# KiCad board mist1010.kicad_pcb (continued)
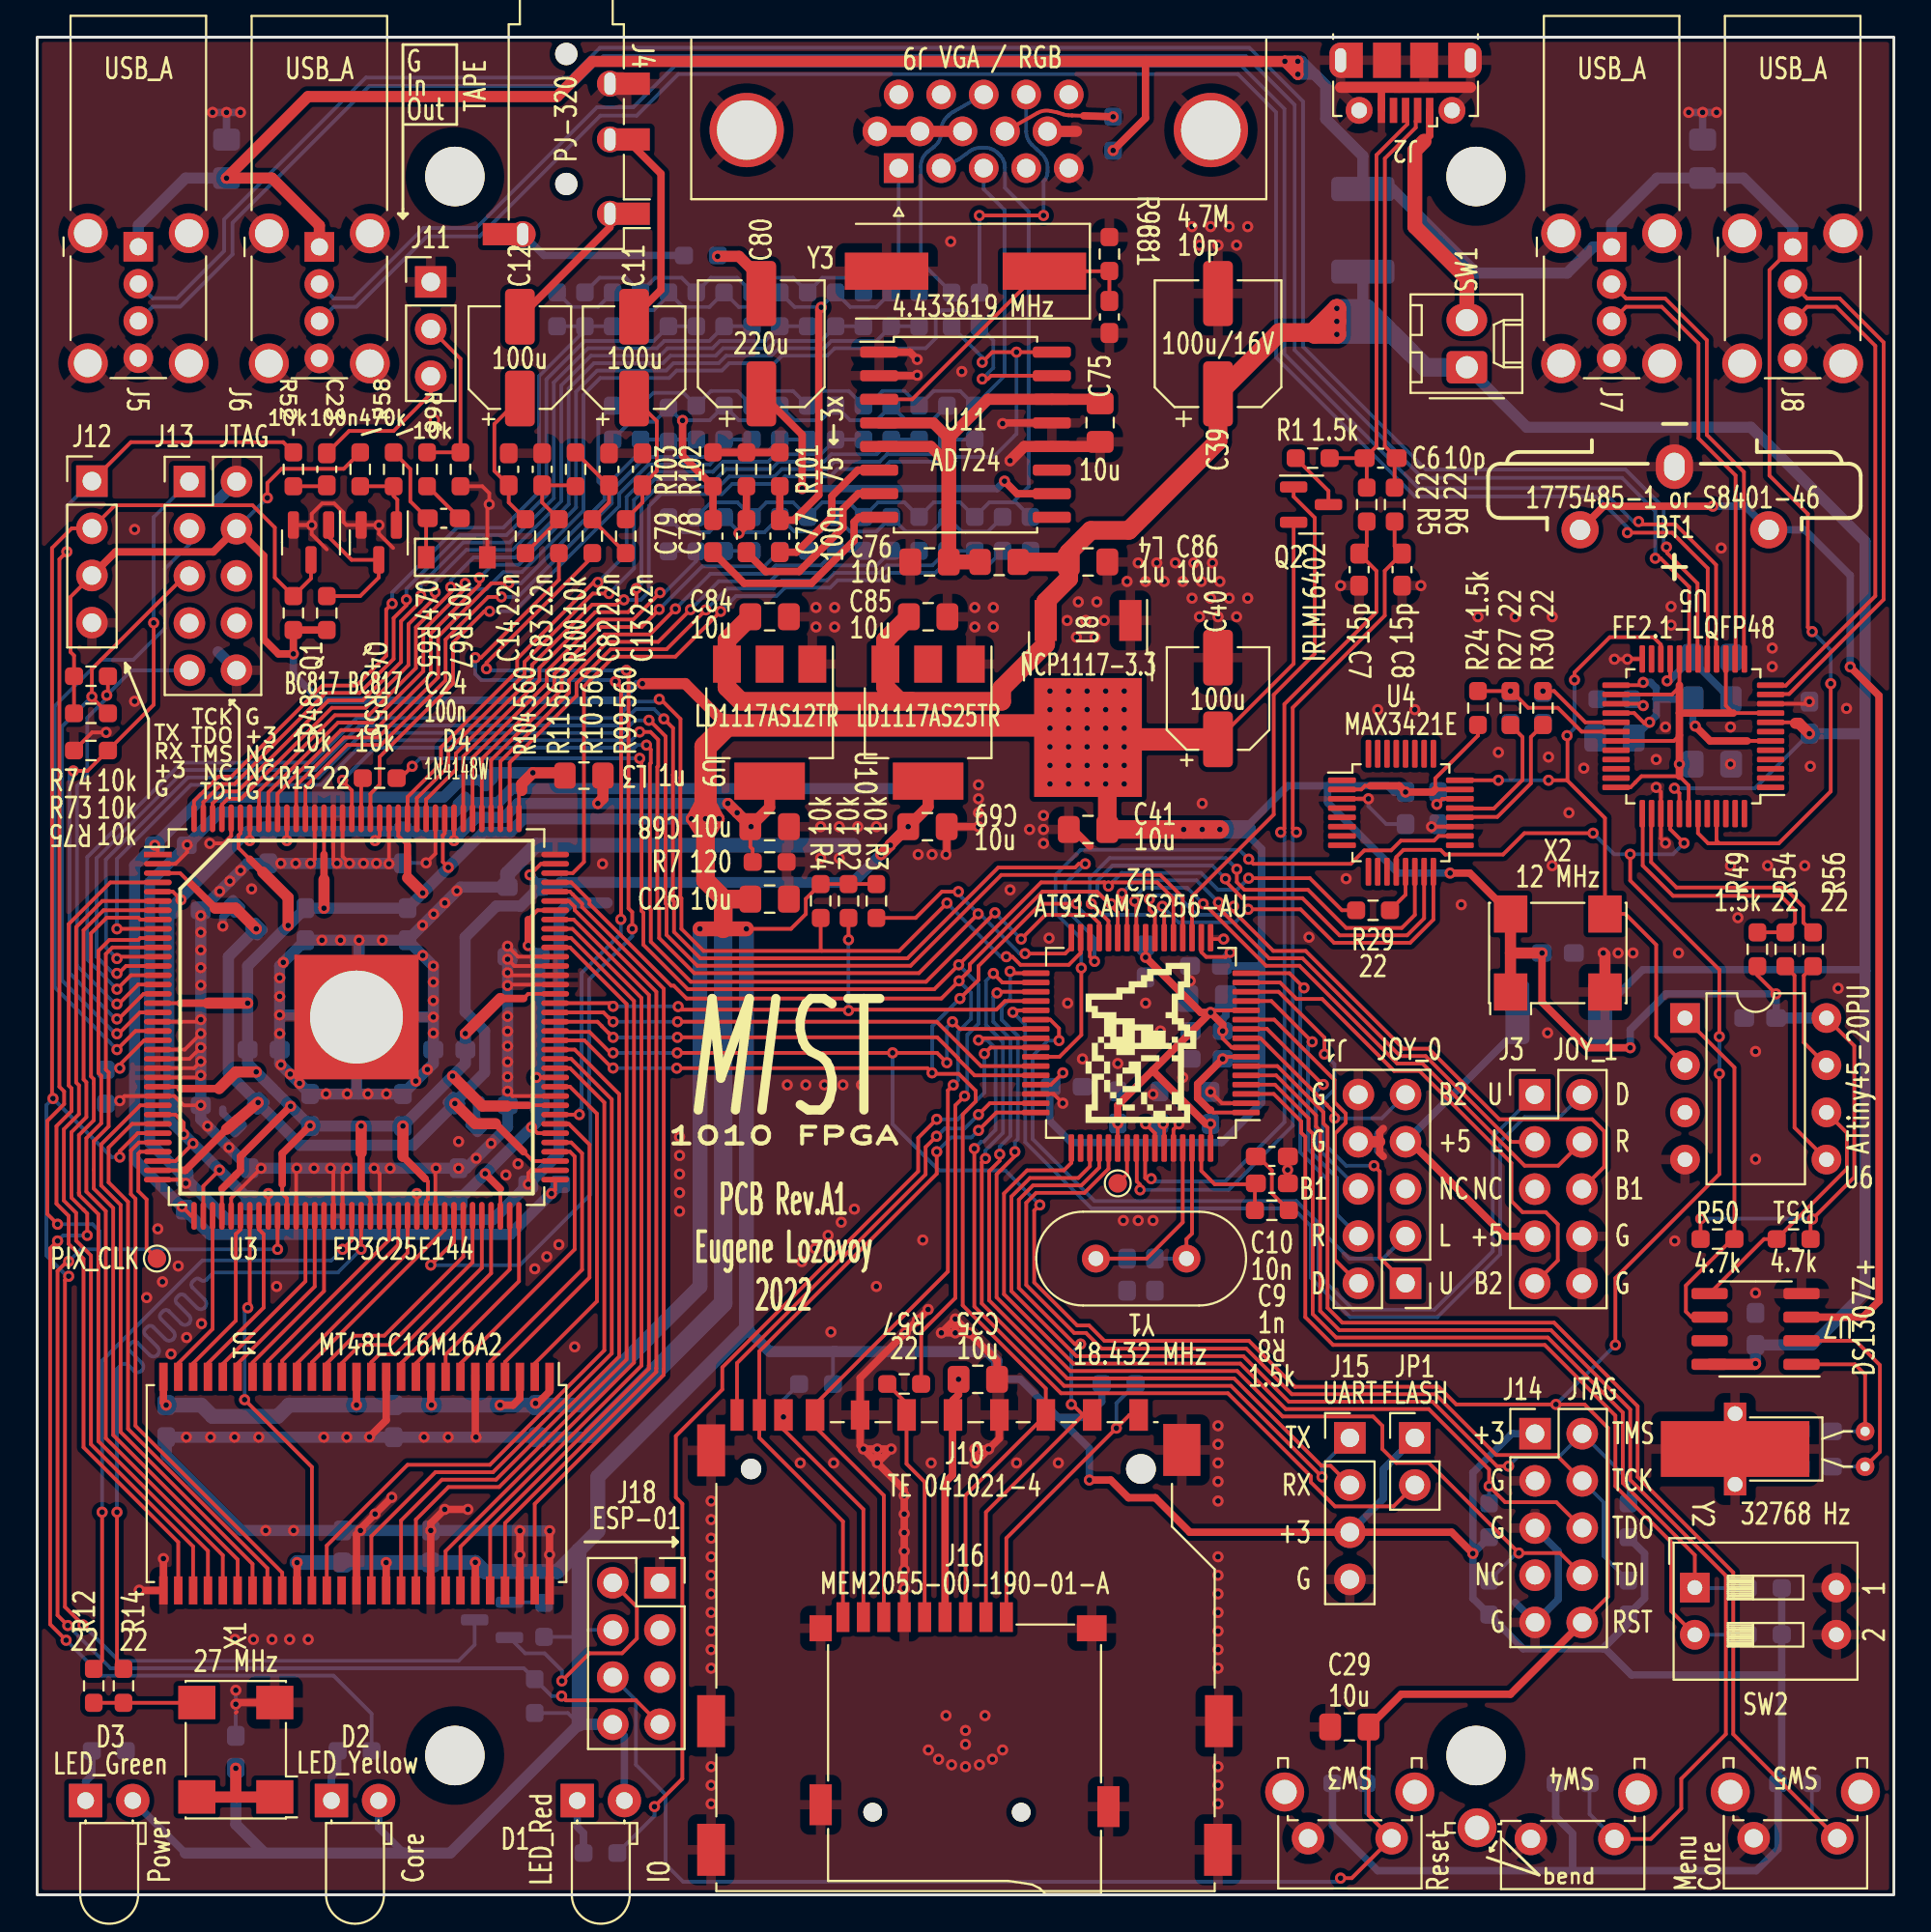
[diagram p0: board, top side]
## Routing (per net, layer and track width the routed paths; a pad name or vN(x,y) marks a point on that pad's centre or on a via; arc(x,y) is an arc through that point) (continued)
+BATT: length 61.5
  Top w0.4: v1(97.65,66.1) 99.2,64.55 99.2,31.96 98.33,31.1 94.37,31.1 ; v1(90.25,74.75) 84.37,74.75 BT1.1
  Bottom w0.4: v1(97.65,66.1) 97.65,71.02 95.19,73.48 BT1.1 91.99,74.75 v1(90.25,74.75)
/ARM_TCK: length 51.4
  Top w0.2: U2.53 57.7,39.08 56.41,37.79 53.8,37.79 53.27,37.26 53.27,32.83 55.85,30.25 56.49,30.25 57.34,29.4 65.13,29.4 67.58,26.95 75.32,26.95 78.59,23.68 81.82,23.68 J14.4
  Bottom w0.2: R70.2 84.36,18.25 84.36,21.14 J14.4
/ARM_TDI: length 60.7
  Top w0.2: v1(52.4,49.71) 52.5,49.61 U2.33 ; v1(52.66,40) 52.66,39.77 51.67,38.79 51.67,32.17 55.64,28.2 64.63,28.2 67.08,25.75 71.95,25.75 72.45,25.25 72.45,24 73.2,23.25 74.96,23.25 79.8,18.41 v1(79.8,18.4) 82.02,18.4 J14.8
  Bottom w0.2: v1(52.66,40) 52.66,40.53 52.82,40.69 52.82,46.24 51.95,47.11 51.95,47.79 52.4,48.24 v1(52.4,49.71) ; v1(79.8,18.4) 79.69,18.4 R72.2
/ARM_TDO: length 48.3
  Top w0.2: U2.49 55.7,39.4 55.3,39 53.32,39 52.07,37.75 52.07,32.33 55.81,28.6 64.8,28.6 67.25,26.15 74.95,26.15 78.2,22.9 v1(78.2,22) 79.06,21.14 81.82,21.14 J14.6
  Bottom w0.2: v1(78.2,22) R71.2
/ARM_TMS: length 51.1
  Top w0.2: U2.51 56.7,39.21 56.08,38.59 53.47,38.59 52.47,37.59 52.47,32.5 55.97,29 64.96,29 67.41,26.55 75.15,26.55 78.62,23.08 v1(79.25,23.08)
  Bottom w0.2: v1(79.25,23.08) 79.77,23.6 81.99,23.6 J14.2 85.7,22.34 R69.2
/AUDIO_L: length 58.8
  Top w0.2: v1(24.2,66) 24.2,66.32 29.9,72.02 R10.1 ; U3.65 22.45,35.15 v1(21.2,33.9) ; v1(32.05,52) 32.05,52.9 31.85,53.1 31.85,65.8 v1(31.74,65.91)
  Bottom w0.2: v1(21.2,33.9) 26,33.9 29.8,37.7 29.8,42.29 29.73,42.36 29.73,49.28 32.05,51.6 v1(32.05,52) ; v1(24.2,66) 24.29,65.91 v1(31.74,65.91)
/AUDIO_R: length 42.1
  Top w0.2: v1(23.6,66.6) 23.91,66.6 28.1,70.79 R11.1 ; v1(31.14,65.32) 31.45,65.01 31.45,52.53 v1(31.44,52.51) ; U3.80 v1(29.2,42)
  Bottom w0.2: v1(23.6,66.6) 23.6,65.71 23.91,65.4 31.06,65.4 v1(31.14,65.32) 31.14,65.32 31.14,65.32 31.14,65.43 ; v1(29.2,42) 29.2,42.25 29.33,42.38 29.33,49.63 31.44,51.74 v1(31.44,52.51)
/B: length 35.7
  Bottom w0.2: R33.2 33.19,80.85 34.81,80.85 R34.2 36.29,80.95 37.71,80.95 R35.2 39.29,80.95 40.71,80.95 R37.2 42.29,80.95 43.71,80.95 R39.2 44.75,80.16 45.53,80.95 46.71,80.95 R40.2 48.29,80.95 49.71,80.95 R41.2 52.1,81.76 52.1,90.7 50.98,91.82 J9.3
/Button1: length 66.6
  Top w0.2: SW4.1 86.91,3.01 88.55,4.65 88.55,6.25 90.95,8.65 90.95,17.18 85.8,22.33 85.8,26.13 81.53,30.4 70.13,30.4 69.1,31.43 69.1,41.14 68.88,41.36 68.88,41.96 66.73,44.11 U2.5
  Bottom w0.2: R62.2 83.61,4.35 SW4.1
/Button2: length 65.9
  Top w0.2: U2.6 66.8,44.61 69.28,42.13 69.28,41.52 69.5,41.31 69.5,31.6 70.3,30.8 81.7,30.8 86.2,26.3 86.2,22.5 91.35,17.35 91.35,8.65 SW5.1
  Bottom w0.2: SW5.1 95.59,4.41 R63.2
/CLK_12: length 36.8
  Top w0.2: v1(82.8,65.4) 82.8,65.8 84.7,67.7 87.05,67.7 87.45,67.3 U5.22 ; U6.2 87.2,46.21 87.2,51.14 85.54,52.8 X2.3 84.44,57.96 82.42,59.98 ; 82.42,59.98 82.42,62.38 v1(82.4,62.4) ; 82.42,59.98 82.4,60 v1(81.4,60) ; 76.62,60 v1(78.7,60)
  Bottom w0.2: v1(82.4,62.4) 82.8,62.8 v1(82.8,65.4) ; v1(78.7,60) v1(81.4,60)
/CLK_27: length 5.6
  Top w0.2: X1.3 8.58,10.34 R14.1 R12.1
/Composite: length 9.2
  Bottom w0.4: J4.S 27.3,88.25 R89.1
/CONF_DATA0: length 87.5
  Top w0.2: v1(56.95,50.25) 56.7,50.5 U2.30 ; v1(4.3,49.6) 4.39,49.6 4.79,50 U3.13 ; v1(33.75,63.3) 34.25,62.81 34.25,60.3 34.24,60.29 34.24,53.53 34.3,53.47 34.3,51.83 35.72,50.41 46.88,50.41 51.76,55.3 55.9,55.3 56.1,55.5 v1(56.45,55.5)
  Bottom w0.2: v1(56.45,55.5) 55.37,54.42 55.37,53.08 56.95,51.5 v1(56.95,50.25) ; v1(4.3,49.6) 4.1,49.6 3.2,50.5 3.2,55.8 7.95,60.55 14.98,60.55 17.38,62.95 31.36,62.95 32.24,63.83 33.23,63.83 v1(33.75,63.3)
/CONF_DCLK: length 85.3
  Top w0.2: U3.12 4.4,50.5 v1(4.3,50.4) ; U2.20 61.7,53.69 60.49,54.9 57.41,54.9 51.93,54.9 47.04,50.01 35.56,50.01 33.9,51.67 33.9,53.31 33.84,53.37 33.84,60.46 33.85,60.46 33.85,62.36 32.98,63.23 v1(32.95,63.23)
  Bottom w0.2: v1(32.95,63.23) 32.2,63.23 31.52,62.55 17.55,62.55 15.15,60.15 8.12,60.15 3.7,55.73 3.7,51 v1(4.3,50.4)
/CONF_DONE: length 31.3
  Top w0.2: v1(43.7,51.41) R2.2 ; v1(31.02,47.83) 30.85,48 U3.92 ; U2.36 52.12,48.11 51.66,47.65 43.75,47.65 v1(43.7,47.6) 43.65,47.65 34.69,47.65 v1(34.52,47.82)
  Bottom w0.2: v1(43.7,47.6) v1(43.7,51.41) ; v1(34.52,47.82) 34.51,47.83 v1(31.02,47.83)
/CONF_NCONFIG: length 84.8
  Top w0.2: v1(4.3,48.75) 5.05,49.5 U3.14 ; v1(49,53.39) 46.43,50.81 35.89,50.81 34.7,52 34.7,53.64 34.64,53.7 34.64,60.13 34.65,60.13 34.65,63.3 33.59,64.36 v1(33.51,64.36) ; 42.26,50.81 42.2,50.88 R4.2 ; U2.31 56.2,50.7 55.56,50.06 52.96,50.06 52.52,50.5 v1(52.2,50.5)
  Bottom w0.2: v1(4.3,48.75) 2.7,50.35 2.7,55.86 7.79,60.95 14.82,60.95 17.22,63.35 31.19,63.35 32.07,64.23 33.38,64.23 v1(33.51,64.36) ; v1(52.2,50.5) 51.89,50.5 v1(49,53.39)
/CONF_NSTATUS: length 81.4
  Top w0.2: U3.9 v1(4.3,52) ; v1(53.21,50.67) 55.37,50.67 55.7,51 U2.32 ; v1(49.62,54) 48.73,54 47.31,52.59 R3.2 ; v1(50.68,52.81) 47.49,49.61 35.39,49.61 33.5,51.5 33.5,53.14 33.4,53.24 33.4,60.72 33.45,60.76 33.45,62.18 33.03,62.6 v1(32.45,62.6)
  Bottom w0.2: v1(53.21,50.67) 52.92,50.67 50.78,52.81 v1(50.68,52.81) 49.62,53.87 v1(49.62,54) ; v1(4.3,52) 4.3,55.77 8.28,59.75 15.31,59.75 17.71,62.15 32,62.15 v1(32.45,62.6)
/DM_PUP: length 27.5
  Top w0.2: U2.19 62.2,53.75 66.6,58.15 66.6,64.6 68.81,66.81 68.81,74.13 67.67,75.27 Q2.1
/FPGA_TCK: length 35.9
  Top w0.2: v1(4.3,47.15) 4.39,47.15 5.74,48.5 U3.16 ; v1(1.95,60.5) 2.71,60.5 R75.1 6.28,64.07 v1(6.28,68.47)
  Bottom w0.2: v1(4.3,47.15) 4.21,47.15 1.75,49.61 1.75,60.3 v1(1.95,60.5) ; J13.1 6.28,74.16 v1(6.28,68.47)
/FPGA_TDI: length 26.9
  Top w0.2: R74.2 3.81,64.64 v1(3.75,64.57) ; v1(4.3,47.95) 4.39,47.95 5.44,49 U3.15
  Bottom w0.2: J13.9 5.09,65.92 v1(3.75,64.57) 3.75,64.41 2.7,63.36 2.7,60.25 2.15,59.7 2.15,50.01 4.21,47.95 v1(4.3,47.95)
/FPGA_TDO: length 36.1
  Top w0.2: v1(4.3,45.5) 5.3,46.5 U3.20
  Bottom w0.2: J13.3 8.2,72.7 6.88,71.38 6.88,68.18 5.18,66.48 3.43,66.48 0.95,64 0.95,48.85 v1(4.3,45.5)
/FPGA_TMS: length 32.8
  Top w0.2: R73.2 2.95,64.46 v1(2.95,64.5) 2.95,65.99 7.96,71 J13.5 ; U3.18 5.54,47.5 4.39,46.35 v1(4.3,46.35)
  Bottom w0.2: v1(4.3,46.35) 4.21,46.35 1.35,49.21 1.35,62.9 v1(2.95,64.5)
/G: length 45.1
  Bottom w0.2: 52.55,74.96 51.29,74.96 50.5,74.17 49.71,74.96 48.29,74.96 47.5,74.17 46.71,74.96 45.29,74.96 44.5,74.17 43.71,74.96 42.29,74.96 41.5,74.17 40.71,74.96 39.29,74.96 38.5,74.17 37.71,74.96 36.29,74.96 35.5,74.17 ; 52.55,74.96 52.71,74.96 53.5,74.17 ; 52.55,74.96 53.4,75.81 53.4,90.61 52.12,91.89 52.12,92.96 52.12,93.06 52.08,93.25 52.01,93.43 51.9,93.6 51.83,93.67 51.74,93.76 51.67,93.82 51.51,93.93 51.33,94.01 51.13,94.05 51.04,94.05 50.82,94.05 50.72,94.05 50.51,94 50.32,93.92 50.24,93.86 49.67,93.45 49.63,93.42 49.56,93.38 49.53,93.36 J9.2
/HS: length 13
  Bottom w0.2: J9.13 49.32,95.97 arc(49.21,95.89) 49.1,95.8 49.08,95.78 49.08,95.77 arc(48.79,95.42) 48.69,94.98 48.7,94.9 arc(48.6,94.45) 48.31,94.1 47.98,93.84 arc(47.69,93.49) 47.59,93.05 47.59,87.91 R43.2
/MISO: length 101.2
  Top w0.2: 41.89,25.72 41.89,26.39 49.05,33.55 49.05,43.3 v1(49.34,43.59) ; v1(64,54.7) 64,54.56 64.91,53.65 68.15,53.65 70.15,51.65 73.78,51.65 74.7,52.57 U4.15 ; v1(57.85,53.35) 57.8,53.35 57.77,53.32 ; 49.7,49.25 48.7,48.25 34.98,48.25 34.29,48.94 34.15,48.94 29.75,53.34 29.75,53.52 28.77,54.5 U3.105 ; 49.7,49.25 v1(49.65,49.2) ; 49.7,49.25 50.23,49.78 50.23,50.1 54.13,54 57.09,54 57.77,53.32 ; 57.77,53.32 58.2,52.89 U2.27 ; J16.7 45.6,21.5 41.89,25.2 J10.7
  Bottom w0.2: v1(49.65,49.2) 50.3,48.55 50.3,47.15 49.6,46.45 49.6,43.85 v1(49.34,43.59) ; v1(64,54.7) 63.29,55.41 57.92,55.41 57.1,54.59 57.1,54.01 57.76,53.35 v1(57.85,53.35)
/MOSI: length 95.5
  Top w0.2: 54.33,25.72 54.33,27.26 49.85,31.73 49.85,42.01 50.55,42.71 50.55,43.28 49.64,44.19 48.26,44.19 v1(48.2,44.25) 47.95,44.5 v1(34.45,44.5) ; J16.3 50,21.5 J10.2 ; v1(49.7,48.25) 50.7,49.25 50.7,50 54.05,53.35 v1(55.97,53.35) ; U3.88 29.47,46 30.96,44.51 v1(31.02,44.51) ; U2.22 60.7,53.11 v1(60.6,53.21) ; v1(65.22,53.05) 68.05,53.05 69.85,51.25 73.95,51.25 75.2,52.5 U4.16
  Bottom w0.2: v1(48.2,44.25) 48.2,46.75 v1(49.7,48.25) ; v1(65.22,53.05) 64.52,52.35 61.46,52.35 v1(60.6,53.21) 60.14,52.75 56.49,52.75 55.97,53.26 v1(55.97,53.35) ; v1(34.45,44.5) 31.03,44.5 v1(31.02,44.51)
/PIXEL_CLK: length 7.2
  Top w0.2: TP1.1 5.9,34.8 5.9,37.43 5.45,37.88 5.45,39.9 5.55,40 U3.33
/R: length 27.8
  Bottom w0.2: 46.4,87.05 45.29,87.05 R20.2 43.71,87.05 42.29,87.05 R19.2 40.71,87.05 39.29,87.05 R18.2 37.71,87.05 36.29,87.05 R17.2 34.71,87.05 33.29,87.05 R16.2 31.71,87.05 30.29,87.05 R15.2 ; 46.4,87.05 46.71,87.05 R21.2 ; 46.4,87.05 J9.1
/RAM_A0: length 10.5
  Top w0.2: U1.23 10,28.58 14.45,33.03 U3.49
/RAM_A1: length 10
  Top w0.2: U3.44 11.95,35.81 12.2,35.56 12.2,31.61 9.2,28.61 U1.24
/RAM_A2: length 9.7
  Top w0.2: U1.25 8.4,28.61 10.7,30.91 10.7,35.56 10.95,35.81 U3.42
/RAM_A3: length 9.4
  Top w0.2: U1.26 7.6,28.61 9.45,30.46 U3.39
/RAM_A4: length 44.7
  Top w0.2: U3.4 3.94,54.5 1.7,52.26 1.7,43.56 1.85,43.41 1.85,42.19 1.04,41.38 1.04,37.2 1.7,36.55 1.7,35.04 2.5,34.24 2.5,24.09 7.6,18.99 U1.29
/RAM_A5: length 44
  Top w0.2: U1.30 8.4,18.75 2.9,24.25 2.9,34.41 2.1,35.21 2.1,36.71 1.44,37.37 1.44,41.22 2.25,42.03 2.25,43.58 2.1,43.73 2.1,52.09 3.51,53.5 U3.6
/RAM_A6: length 42.6
  Top w0.2: U1.31 9.2,18.52 3.3,24.42 3.3,36.64 2.25,37.69 2.26,37.78 2.25,37.79 2.25,40.9 3.05,41.7 3.05,43.91 2.9,44.06 2.9,51.76 3.74,52.6 5.45,52.6 5.55,52.5 U3.8
/RAM_A7: length 41.3
  Top w0.2: U3.10 5.55,51.5 5.45,51.4 3.89,51.4 3.3,50.81 3.3,44.24 3.45,44.09 3.45,41.53 2.65,40.73 2.65,37.85 3.7,36.81 3.7,24.58 10,18.28 U1.32
/RAM_A8: length 40.8
  Top w0.2: U1.33 10.8,18.05 4.1,24.75 4.1,36.97 3.05,38.02 3.05,39.03 3.05,40.57 3.85,41.37 3.85,44.27 3.7,44.42 3.7,50.65 4.05,51 U3.11
/RAM_A9: length 31.3
  Top w0.2: U1.34 11.6,17.81 4.5,24.92 4.5,37.14 3.45,38.19 3.45,40.4 5.55,42.5 U3.28
/RAM_A10: length 10.4
  Top w0.2: U1.22 10.8,28.6 14.95,32.75 U3.50
/RAM_A11: length 30.6
  Top w0.2: U3.30 5.12,41.5 3.85,40.23 3.85,38.35 4.9,37.3 4.9,25.08 12.4,17.58 U1.35
/RAM_A12: length 28.7
  Top w0.2: U3.32 5.48,40.5 5.05,40.06 5.05,37.72 5.3,37.47 5.3,25.25 13.2,17.34 U1.36
/RAM_BA0: length 11.4
  Top w0.2: U3.58 18.95,35.25 12.4,28.7 U1.20
/RAM_BA1: length 10.3
  Top w0.2: U1.21 11.6,28.65 15.45,32.5 U3.51
/RAM_CLK: length 21.8
  Top w0.2: v1(11.35,31.6) 11.45,31.71 U3.43 ; U1.38 14.8,23.03 v1(11.17,26.65)
  Bottom w0.2: v1(11.35,31.6) 11.17,31.43 v1(11.17,26.65)
/RAM_DQ0: length 18.4
  Top w0.2: U1.2 26.8,28.6 30.15,31.95 30.15,42.05 28.7,43.5 U3.83
/RAM_DQ1: length 16.7
  Top w0.2: U1.4 25.2,28.68 29.75,33.23 29.75,40.39 28.64,41.5 U3.79
/RAM_DQ2: length 15.8
  Top w0.2: U1.5 24.4,28.7 29.35,33.65 29.35,39.92 28.77,40.5 U3.77
/RAM_DQ3: length 15.6
  Top w0.2: U1.7 22.8,28.6 28.95,34.75 28.95,39.75 28.7,40 U3.76
/RAM_DQ4: length 10.3
  Top w0.2: U3.72 25.95,33.03 22,29.08 U1.8
/RAM_DQ5: length 10.8
  Top w0.2: U3.71 25.45,33.66 20.4,28.61 U1.10
/RAM_DQ6: length 10.7
  Top w0.2: U3.69 24.45,33.46 19.6,28.61 U1.11
/RAM_DQ7: length 11.6
  Top w0.2: U3.68 23.95,33.75 19.3,29.1 18.43,29.1 18,28.67 U1.13
/RAM_DQ8: length 37.6
  Top w0.2: U1.42 18,19.3 21.45,22.75 24.55,22.75 30.95,29.15 30.95,42.82 28.77,45 U3.86
/RAM_DQ9: length 37.7
  Top w0.2: U3.87 28.95,45.5 31.35,43.1 31.35,28.98 24.72,22.35 21.8,22.35 19.6,20.15 U1.44
/RAM_DQ10: length 43
  Top w0.2: U3.98 28.7,51 31.75,47.95 31.75,28.82 24.88,21.95 22.15,21.95 20.4,20.2 U1.45
/RAM_DQ11: length 41.6
  Top w0.2: U3.99 28.77,51.5 32.15,48.12 32.15,28.65 22,18.5 U1.47
/RAM_DQ12: length 42.1
  Top w0.2: U1.48 22.8,18.74 32.55,28.49 32.55,48.28 28.83,52 U3.100
/RAM_DQ13: length 42.3
  Top w0.2: U1.50 24.4,19.77 32.95,28.32 32.95,28.5 32.95,28.5 32.95,48.45 28.9,52.5 U3.101
/RAM_DQ14: length 43.2
  Top w0.2: U3.103 28.64,53.5 28.95,53.19 28.95,53.01 33.35,48.61 33.35,28.33 33.34,28.33 33.34,28.15 25.2,20.01 U1.51
/RAM_DQ15: length 43.4
  Top w0.2: U1.53 26.8,21.04 33.74,27.99 33.74,28.16 33.75,28.17 33.75,28.3 33.75,48.78 29.35,53.18 29.35,53.35 28.85,53.85 28.85,53.85 28.7,54 U3.104
/RAM_DQMH: length 38.5
  Top w0.2: U1.39 15.6,18.8 19.95,23.15 24.39,23.15 30.55,29.31 30.55,42.65 28.7,44.5 U3.85
/RAM_DQML: length 12.5
  Top w0.2: U1.15 16.4,28.61 17.39,29.6 19,29.6 23.45,34.05 U3.67
/RST: length 222.3
  Top w0.2: v1(83.8,57.15) 80.1,57.15 78.95,56 75.84,56 75.59,56.25 73.59,56.25 73.2,55.86 U4.12 ; v1(90.6,46.2) 90.6,49.8 85.8,54.6 v1(85.8,56.02) ; v1(34.47,45.32) 48.47,45.32 v1(49,44.79) ; v1(85,29.6) 85,33.2 90.6,38.8 v1(90.6,44.2) ; C29.2 71.71,4.28 SW3.1 70.8,0.9 v1(70.2,0.9) ; U3.89 27.95,46.45 29.75,46.45 30.87,45.32 v1(31.02,45.32) ; J14.10 84.6,16.05 84.6,25.14 83.34,26.4 v1(81.8,26.4) 76.43,26.4 75.48,27.35 67.74,27.35 65.27,29.82 57.48,29.82 56.65,30.65 56.02,30.65 53.7,32.97 53.7,36.84 v1(54,37.14) ; U5.40 87.95,57.37 v1(88.7,56.62) ; U2.39 49.69,46.61 v1(49.3,47)
  Top w0.4: J14.10 79.35,10.8 73.48,10.8 C29.2
  Bottom w0.2: SW3.1 71.59,4.41 R68.2 ; v1(49.3,47) 49,46.7 v1(49,44.79) ; v1(54,37.14) 52.14,39 48.56,39 46.08,41.49 v1(46.08,45.32) ; v1(90.6,46.2) v1(90.6,44.2) ; v1(88.7,56.62) 88.1,56.02 v1(85.8,56.02) 84.93,56.02 v1(83.8,57.15) ; v1(31.02,45.32) 34.47,45.32 v1(34.47,45.32) ; J18.6 32.25,10.47 32.25,7 33.85,5.4 33.85,1.65 34.8,0.7 70,0.7 v1(70.2,0.9) ; v1(85,29.6) v1(81.8,26.4)
/RTC_DN: length 14.9
  Top w0.2: U5.37 86.47,58.18 86.47,55.41 88.11,53.77 93.91,53.77 94.67,53.01 94.67,52.34 R54.2 R49.2
/RTC_DP: length 13.4
  Top w0.2: U5.38 86.93,58.18 86.93,55.59 88.29,54.22 94.09,54.22 95.13,53.19 95.13,52.34 R56.2
/RX_ARM: length 43.1
  Top w0.2: v1(51.84,39.86) 51.84,39.52 51.27,38.95 51.27,32 55.48,27.8 64.47,27.8 69.17,23.1 69.66,23.1 J15.2 ; v1(51.7,48.55) 51.76,48.61 U2.35
  Bottom w0.2: v1(51.7,48.55) 51.5,48.35 51.5,46.99 52.42,46.07 52.42,40.85 51.84,40.28 v1(51.84,39.86)
/RX_FPGA: length 110.3
  Top w0.2: Q1.3 14.75,70.86 R48.1 12.8,70.91 12.8,73.6 11.6,74.8 4.19,74.8 J12.2 1.86,73.56 0.8,72.5 0.8,42.92 v1(0.85,42.87) ; v1(2.47,14.52) 1.5,15.5 1.5,33.1 v1(1.7,33.3) ; v1(4.45,39.71) 4.45,40.03 5.42,41 U3.31
  Bottom w0.2: v1(1.7,33.3) 1.61,33.3 0.5,34.41 0.5,42.52 v1(0.85,42.87) 4.01,39.71 v1(4.45,39.71) ; Q3.3 23.56,13.46 22.7,12.6 4.4,12.6 v1(2.47,14.52)
/SCK: length 97.7
  Top w0.2: v1(49.95,43) 49.45,42.5 49.45,32.12 47.61,30.29 R57.1 ; U2.21 61.2,53.62 60.33,54.5 57.9,54.5 v1(57.7,54.3) ; v1(57.7,54.3) 57.7,54.5 ; v1(57.7,54.3) 57.5,54.5 54.07,54.5 48.32,48.75 35.04,48.75 32.65,51.14 32.65,52.86 32.55,52.96 32.55,61.08 v1(32.45,61.18) ; v1(20.2,60.75) 19.56,60.11 R13.2 ; v1(65.25,54.73) 68.55,54.73 70.27,53 R29.1
  Bottom w0.2: v1(65.25,54.73) 64.62,54.1 63.6,54.1 62.69,55.01 58.41,55.01 v1(57.7,54.3) ; v1(49.95,43) 50.1,43.15 50.1,46.3 50.7,46.9 50.7,49 v1(49.63,50.07) ; v1(32.45,61.18) 20.63,61.18 v1(20.2,60.75)
/SD_CD: length 37.1
  Top w0.2: v1(50.7,41.15) 51.66,42.11 U2.48 ; v1(48.45,40) 48.45,38.82 38.89,29.26 38.89,24.6 43.4,20.1 J16.9
  Bottom w0.2: v1(48.45,40) 49.22,40.77 50.32,40.77 v1(50.7,41.15)
/SD_CLK: length 13.4
  Top w0.2: J16.5 47.8,22.23 46.83,23.2 46.83,26.46 R57.2
/SD_DAT1: length 14.7
  Top w0.2: v1(40.2,25.72) 40.2,25.05 44.5,20.75 J16.8
  Bottom w0.2: v1(40.2,25.72) 40.2,26.66 R64.2
/SD_DAT2: length 16.9
  Top w0.2: J16.1 52.2,19.2 58.83,25.83 J10.9
  Bottom w0.2: v1(58.12,25.12) 58.12,26.46 R53.2
/SD_VDD: length 13.1
  Top w0.4: v1(49.62,27.75) 49.62,26.92 49.33,26.62 49.33,25.72 49.3,25.7 49.3,22.6 48.9,22.2 J16.4
  Bottom w0.2: L2.2 v1(49.62,27.75)
/SD_WP: length 25.6
  Top w0.2: U2.47 51.31,42.61 v1(50.7,42) ; v1(48.44,40.84) 47.85,40.25 47.85,38.78 37.7,28.62 37.7,25.72
  Bottom w0.2: v1(48.44,40.84) 48.47,40.84 48.89,41.25 49.95,41.25 v1(50.7,42)
/SS0: length 26.2
  Top w0.2: v1(64.61,55.21) 64.61,54.51 65.03,54.1 68.45,54.1 70.5,52.05 73.5,52.05 74.2,52.75 U4.14 ; U2.28 57.7,52.42 v1(56.77,53.35)
  Bottom w0.2: v1(56.77,53.35) 56.7,53.42 56.7,54.75 57.76,55.81 64.02,55.81 v1(64.61,55.21)
/SS1: length 33.3
  Top w0.2: 56.33,25.83 51.1,20.6 J16.2 ; 56.33,25.83 55.76,26.4 v1(55.7,26.4) ; 56.33,25.83 J10.1 ; v1(56.2,29.65) 55.89,29.65 52.87,32.66 52.87,37.42 53.64,38.19 56.24,38.19 57.2,39.15 U2.52
  Bottom w0.2: v1(55.7,26.4) 55.7,29.15 v1(56.2,29.65)
/SS2/FPGA: length 58.8
  Top w0.2: U2.29 57.2,52.3 56.75,52.75 54.3,52.75 v1(53,51.45) ; v1(32.82,61.89) 33.05,61.66 33.05,60.93 33,60.88 33,53.08 33.05,53.03 33.05,51.31 35.21,49.15 47.87,49.15 v1(51.59,52.86) ; v1(16.45,60) 16.45,59.95 16.95,59.45 U3.127
  Bottom w0.2: v1(16.45,60) 18.2,61.75 32.16,61.75 32.3,61.89 v1(32.82,61.89) ; v1(53,51.45) v1(51.59,52.86)
/SS3/OSD: length 27.1
  Top w0.2: U3.91 30.5,47.5 30.77,47.23 30.79,47.23 v1(31.02,47) ; v1(34.49,47) 48.45,47 50.84,44.61 U2.43
  Bottom w0.2: v1(31.02,47) v1(34.49,47)
/SS4/SD_DIRECT: length 27.1
  Top w0.2: v1(34.48,46.16) 48.48,46.16 49.6,45.04 49.6,45 50.49,44.11 U2.44 ; v1(31.02,46.16) 30.78,46.4 30.77,46.4 30.42,46.75 30.42,46.76 30.18,47 U3.90
  Bottom w0.2: v1(31.02,46.16) 34.48,46.16 v1(34.48,46.16)
/Switch1: length 47.5
  Top w0.2: U2.4 66.67,43.61 68.48,41.8 68.48,41.19 68.7,40.97 68.7,31.27 69.97,30 81.37,30 85.4,25.96 85.4,22.17 89.28,18.29 SW2.1
  Bottom w0.2: R60.2 89.3,16.51
/Switch2: length 49.5
  Top w0.2: U2.3 66.6,43.11 68.08,41.63 68.08,41.03 68.3,40.81 68.3,31.1 69.8,29.6 81.2,29.6 85,25.8 85,22 88,19 88,15.28 SW2.2
  Bottom w0.2: SW2.2 92.12,14
/TAPE_IN: length 9.1
  Top w0.2: J11.2 22.8,82.68 R67.1 R65.1
/TAPE_OUT: length 7.9
  Top w0.2: J11.3 21.2,80.8 19.2,78.8 16.8,78.8 C23.1
/TX_ARM: length 46.2
  Top w0.2: U2.34 51.99,49.11 v1(51.5,49.6) ; v1(69.2,22.5) 64.3,27.4 55.31,27.4 50.88,31.83 50.88,39.44 v1(51.08,39.64)
  Bottom w0.2: v1(51.08,39.64) 51.08,40.07 52.02,41.02 52.02,45.91 51.1,46.83 51.1,49.2 v1(51.5,49.6) ; J15.1 69.2,23.1 v1(69.2,22.5)
/TX_FPGA: length 124.3
  Top w0.2: J18.7 32.25,10.47 28.48,10.47 v1(28.25,10.7) ; J12.1 5.05,78.2 13.25,78.2 R52.1 ; v1(1.1,36.1) 0.55,36.65 0.55,41.67 1.45,42.57 1.45,43.25 1.2,43.5 1.2,71.9 v1(1.6,72.3) ; v1(12.95,34.75) U3.46 ; v1(1.65,14.5) 1.1,15.05 1.1,33.59 1.61,34.1 v1(1.7,34.1)
  Bottom w0.2: 3.35,34.75 3.35,35.74 2.99,36.1 v1(1.1,36.1) ; 3.35,34.75 v1(12.95,34.75) ; 3.35,34.75 2.35,34.75 v1(1.7,34.1) ; v1(28.25,10.7) 27.71,10.7 R44.2 26.21,12.2 3.95,12.2 v1(1.65,14.5) ; J12.1 1.6,74.75 v1(1.6,72.3)
/UDN: length 21.3
  Top w0.2: J2.2 74.35,95.58 74.25,95.48 74.25,95.13 72.59,93.47 72.59,77.97 C6.2 73.11,77.22 R6.1
/UDP: length 23.2
  Top w0.2: J2.3 73.7,95.58 73.8,95.48 73.8,95.32 72.13,93.65 72.13,77.97 C6.1 ; R1.2 C6.1 ; C6.1 71.61,77.22 R5.1
/USB_DN: length 47.3
  Top w0.2: R6.2 73.11,72.6 C8.1 72.58,71.27 72.58,68.86 67.63,63.91 67.63,57.4 v1(67.83,57.2) ; U2.56 59.22,40.18 59.22,38.41 59.4,38.23 v1(59.4,37.95)
  Bottom w0.2: v1(67.83,57.2) 67.63,57 67.63,41.41 64.17,37.95 v1(59.4,37.95)
/USB_DP: length 45.6
  Top w0.2: U2.57 59.68,40.18 59.68,38.59 59.72,38.55 v1(60,38.55) ; R5.2 71.61,72.61 C7.1 72.13,71.27 72.13,69.05 67.17,64.09 67.17,57.4 v1(66.98,57.2)
  Bottom w0.2: v1(60,38.55) 60.15,38.4 63.98,38.4 67.17,41.59 67.17,57 v1(66.98,57.2)
/USBH_INT: length 35.4
  Top w0.2: 76.62,57 75.49,57 75.24,56.75 73.45,56.75 72.92,56.22 71.48,56.22 70.76,55.5 65.5,55.5 v1(65.25,55.75) ; v1(56.24,49.89) 56.24,46.29 55.06,45.11 U2.42
  Bottom w0.2: v1(65.25,55.75) 64.75,56.25 56.2,56.25 54.85,54.9 54.85,52.85 56.24,51.46 v1(56.24,49.89)
/USBHUB1_DN: length 115.9